# KiCad board 2000ATX.kicad_pcb (continued)
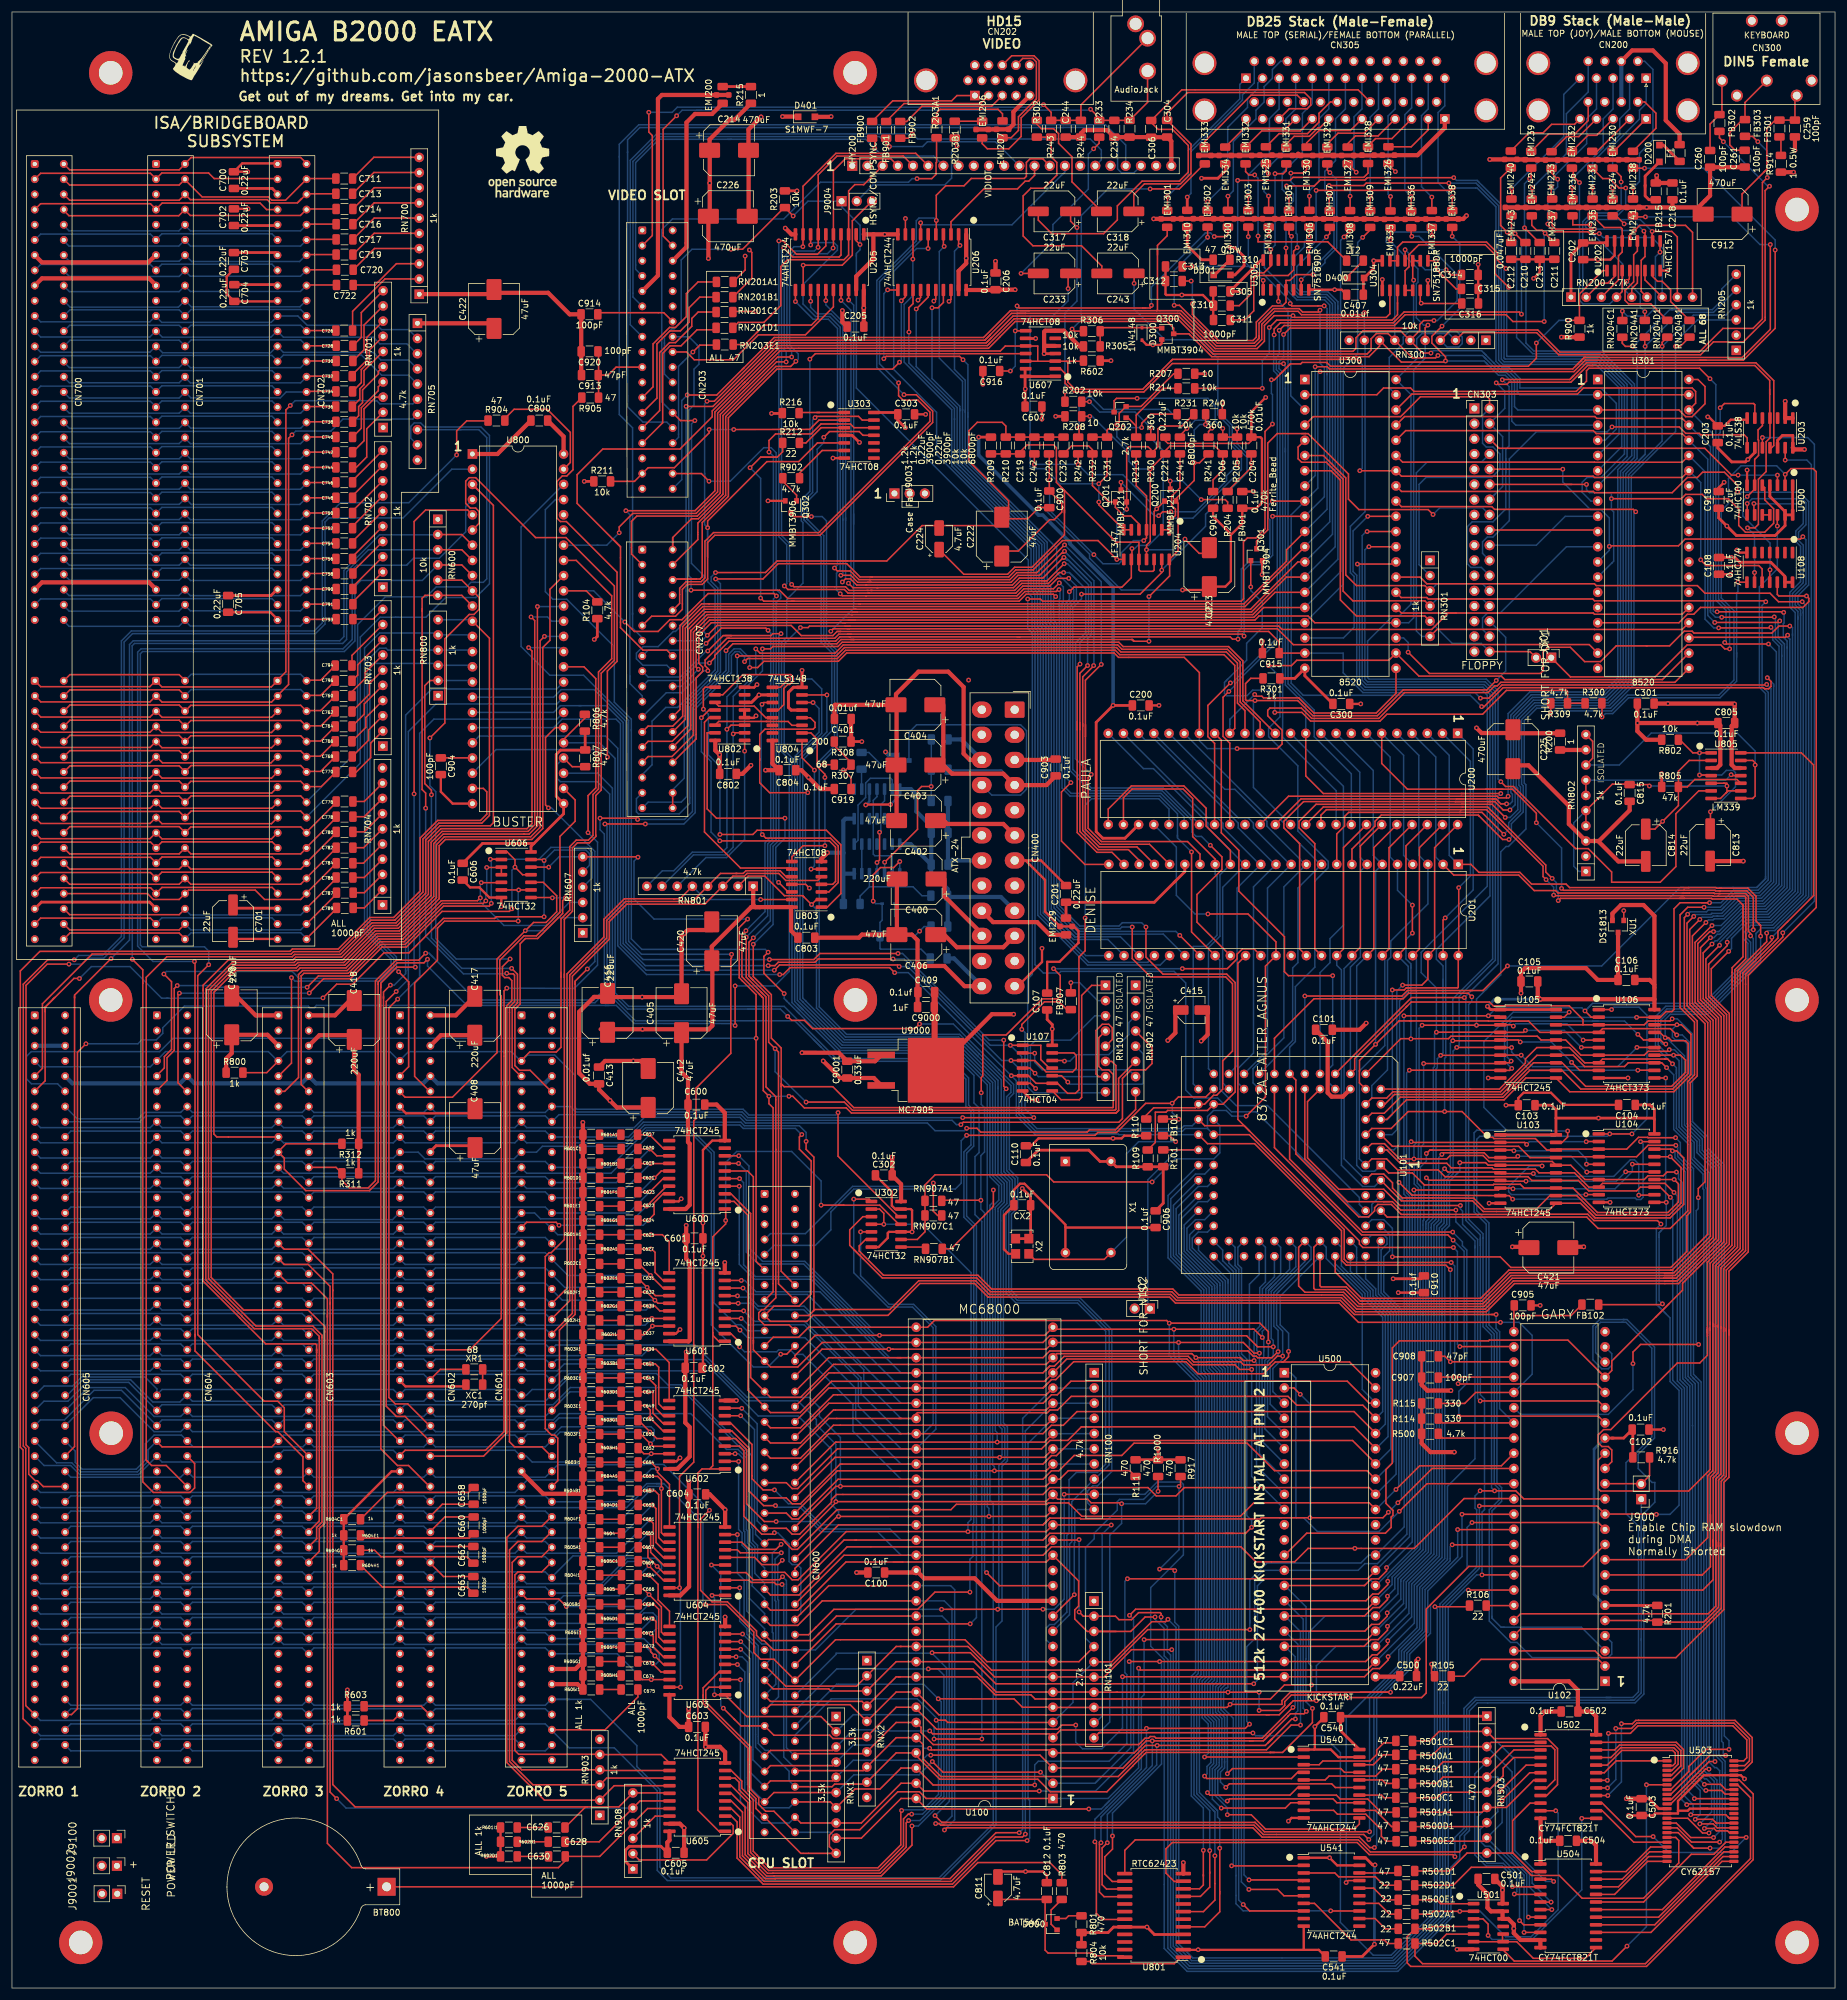
[diagram p0: board, top side]
## Routing (per net, layer and track width the routed paths; a pad name or vN(x,y) marks a point on that pad's centre or on a via; arc(x,y) is an arc through that point) (continued)
  Bottom w0.25: 219.87,269.6 219.87,247.1 U300.11 ; 219.87,269.6 219.87,280.61 v1(219.39,281.09) ; 219.87,269.6 219.87,280.21 ; v1(206.71,292.66) 206.71,288.91 213.72,281.9 v1(213.72,281.48)
PPD2: length 195.1
  Top w0.25: U300.12 206.15,230.84 115.49,230.84 112.13,227.48 112.13,212.52 110.48,210.87 106.36,210.87 CN207.25 ; EMI304.1 v1(210.11,292.86)
  Bottom w0.25: v1(210.11,292.86) 209.4,292.15 209.4,287.49 214.13,282.75 214.16,282.75 214.82,282.09 219.46,282.09 220.32,281.24 220.32,245.01 U300.12
PPD3: length 190.5
  Top w0.25: v1(213.92,292.71) 213.51,293.12 EMI305.1 ; CN207.26 112.58,212 112.58,227.26 115.71,230.39 141.09,230.39 ; U300.13 214.98,238.3 207.07,230.39 141.09,230.39 ; 141.09,230.39 140.96,230.39
  Bottom w0.25: 220.78,279.65 220.78,242.93 U300.13 ; 220.78,279.65 220.78,281.41 219.65,282.54 215,282.54 214.34,283.2 214.32,283.2 213.92,283.6 v1(213.92,292.71) ; 220.78,279.65 220.77,279.66 220.77,279.96
PPD4: length 200
  Top w0.25: 141.35,229.94 115.95,229.94 113.03,227.03 113.03,210.98 110.38,208.33 106.36,208.33 CN207.27 ; 141.35,229.94 207.26,229.94 213.08,235.76 U300.14 ; 141.35,229.94 140.56,229.94 ; v1(216.87,292.61) 216.92,292.66 EMI306.1
  Bottom w0.25: U300.14 221.23,240.84 221.23,279.45 221.23,281.6 219.84,282.99 215.19,282.99 214.51,283.67 214.49,283.67 214.37,283.79 214.37,289.24 216.09,290.96 216.09,291.83 v1(216.87,292.61)
PPD5: length 197.9
  Top w0.25: 140.48,229.49 207.44,229.49 211.17,233.22 U300.15 ; 140.48,229.49 140.31,229.49 ; 140.48,229.49 116.21,229.49 113.48,226.77 113.48,226.84 113.48,210.36 CN207.28 ; v1(219.76,292.6) 220.32,293.16 EMI307.1
  Bottom w0.25: 221.68,280.6 221.68,281.09 ; 221.68,280.6 221.68,238.75 U300.15 ; 221.68,280.6 221.68,281.79 220.02,283.44 215.37,283.44 214.82,284 214.82,287.66 v1(219.76,292.6)
PPD6: length 198.2
  Top w0.25: EMI308.1 223.72,293.62 v1(222.71,292.61) ; U300.16 209.27,230.68 207.63,229.04 116.39,229.04 113.93,226.58 113.93,209.36 110.36,205.79 106.36,205.79 CN207.29
  Bottom w0.25: v1(222.71,292.61) 222.13,292.03 222.13,236.66 U300.16
PPD7: length 198.2
  Top w0.25: v1(225.83,292.53) 227.08,293.78 EMI309.1 ; U300.17 139.29,228.14 ; 139.29,228.14 116.92,228.14 114.83,226.06 114.83,221.37 115.48,220.72 115.48,220.02 114.38,218.92 114.38,208.72 CN207.30 ; 139.29,228.14 138.84,228.14
  Bottom w0.25: 225.86,292.56 v1(225.83,292.53) 224.99,291.69 224.99,280.63 ; 224.99,280.63 224.99,273.04 222.58,270.63 222.58,234.57 U300.17 ; 224.99,280.63 224.99,281.93
PPOUT: length 289.4
  Top w0.25: 100.38,242.19 94.49,248.08 94.49,252.88 98.77,257.17 111.68,257.17 117.08,262.56 117.08,263.53 122.07,268.53 ; 100.38,242.19 101.74,240.83 ; 100.38,242.19 101.74,240.83 ; 101.74,240.83 101.74,227.32 105.49,223.57 109.48,223.57 CN207.16 ; 122.01,268.46 127.99,274.45 163.08,274.45 163.42,274.79 163.42,274.8 167.56,278.94 194.9,278.94 200.79,273.05 226.57,273.05 227.24,273.72 227.24,275.59 228.11,276.46 230.07,276.46 RN300.7 234.13,272.4 238,272.4 v1(238.4,272.8) ; U301.40 281.89,268.78 283.06,267.61 283.06,264.73 280.91,262.58 279.83,262.58 278.7,263.7 U301.3 ; EMI337.1 v1(237.39,292.86)
  Bottom w0.25: v1(237.39,292.86) 236.82,293.43 230.74,293.43 229.75,292.45 229.75,291.75 231.19,290.32 RN300.7 ; U301.3 251.76,263.7 251.21,264.26 251.21,268.59 249.84,269.95 248.71,269.95 246.4,272.26 ; v1(238.4,272.8) 245.87,272.8 246.4,272.26 ; 246.4,272.26 246.12,272.54
PSEL: length 258.6
  Top w0.25: v1(240.79,292.71) EMI338.1 ; v1(102.64,246.86) 114.2,246.86 117.53,250.19 117.53,263.35 122.51,268.33 122.52,268.33 ; 122.52,268.33 122.21,268.01 ; 122.52,268.33 128.19,274 131.54,274 163.27,274 165.23,275.96 165.23,275.97 167.74,278.49 192.68,278.49 ; 192.68,278.49 193.11,278.49 194.22,277.37 Q300.3 196.78,276.42 200.6,272.6 226.88,272.6 228.65,274.37 RN300.8 232.29,271.69 239.48,271.69 v1(239.67,271.88) 239.67,272.59 237.4,274.87 237.4,276 v1(239.09,277.7) ; 192.68,278.49 192.89,278.49
  Bottom w0.25: 246.64,271.38 248.53,269.49 249.66,269.49 250.76,268.4 250.76,261.82 251.42,261.16 U301.4 ; 246.64,271.38 246.35,271.68 ; 246.64,271.38 246.15,271.88 v1(239.67,271.88) ; v1(240.79,292.71) 242.06,291.44 242.06,280.67 v1(239.09,277.7) ; 103.31,218.31 103.31,219.25 ; 103.31,219.25 103.31,246.2 v1(102.64,246.86) ; 103.31,219.25 103.31,217.99 105.38,215.91 CN207.21
PSTROBE: length 223
  Top w0.25: 191.39,280.29 170.06,280.29 ; 191.39,280.29 195.46,280.29 201.35,274.4 207.88,274.4 208.95,275.47 208.95,278.01 211.11,280.18 215.02,280.18 215.59,279.61 225.76,279.61 v1(226.11,279.96) ; 191.39,280.29 191.52,280.41 191.52,290.32 ; 170.06,280.29 168.55,280.29 ; 170.06,280.29 166.92,280.29 162.44,275.8 127.44,275.8 122.41,270.78 ; 122.41,270.78 122.07,270.43 ; 122.41,270.78 117.83,266.19 v1(112.9,266.19) ; 191.52,290.32 191.52,291.19 193.14,292.81 EMI301.1 ; 191.52,290.32 191.52,289.61
  Bottom w0.25: 226.22,270.82 226.22,275.23 RN300.9 v1(226.11,279.96) ; 226.22,270.82 226.22,246.69 223.77,244.24 223.77,236.5 224.39,235.88 224.39,227.38 222.61,225.6 U300.18 ; 226.22,270.82 226.22,271.12 ; v1(112.9,266.19) 111.99,265.28 111.99,252.05 CN203.36
R0: length 98.1
  Top w0.25: v1(132.23,290.98) 132.26,291.01 U205.9 132.26,301.08 137.75,306.57 151.11,306.57 HY200.6 ; 110.46,240.87 110.46,242.37 ; 110.46,242.37 CN207.2 ; 110.46,242.37 113.61,245.51 114.76,245.51 118.88,249.63 118.88,262.78 127.83,271.73 v1(129.44,271.73)
  Bottom w0.25: v1(132.23,290.98) 130.76,290.98 129.11,289.33 129.11,273.81 129.44,273.49 v1(129.44,271.73)
R1: length 106.7
  Top w0.25: v1(134.77,290.88) 134.8,290.91 U205.7 134.8,302.98 137.94,306.12 149.02,306.12 HY200.5 ; CN207.3 103.58,239.63 103.58,245.08 104.46,245.96 114.57,245.96 118.43,249.82 118.43,262.96 128.01,272.54 v1(130.35,272.54)
  Bottom w0.25: v1(134.77,290.88) 134.15,290.26 130.67,290.26 129.56,289.15 129.56,274.32 130.35,273.53 v1(130.35,272.54)
R2: length 94.9
  Top w0.25: HY200.4 146.93,305.67 139.33,305.67 137.34,303.68 U205.5 137.34,290.8 v1(137.29,290.75) ; v1(131.06,271.83) 130.2,270.97 127.7,270.97 119.33,262.59 119.33,249.44 114.68,244.8 114.67,243.22 114.67,242.03 CN207.4
  Bottom w0.25: v1(131.06,271.83) 131.46,272.23 131.46,273.05 130.01,274.51 130.01,288.96 130.86,289.81 136.34,289.81 v1(137.29,290.75)
R3: length 46.5
  Top w0.25: 126.75,279.35 126.86,279.46 ; 126.86,279.46 125.72,278.33 121.43,278.33 RN201D1.1 ; 126.86,279.46 128.52,281.13 128.52,287.64 129.69,288.81 139.1,288.81 139.88,289.59 U205.3 139.88,293.04 139.88,300.31 140.93,301.36 142.43,301.36 HY200.3
R_W: length 638.3
  Top w0.25: 180.45,51.99 U100.9 164.27,51.99 160.23,56.03 v1(153.83,56.03) ; U101.22 214.65,151.72 214.65,139.39 225.18,128.86 226.81,128.86 227.82,129.87 227.82,130.39 228.36,130.93 230.62,130.93 232.28,129.27 255.48,129.27 255.51,129.3 263.45,129.3 264.51,128.24 275.11,128.24 v1(275.69,127.66) ; U605.6 120.25,32.54 122.58,30.21 122.58,22.28 126.14,18.72 127.4,18.72 127.42,18.74 145.33,18.74 150.47,23.88 v1(150.47,27.08) ; U301.22 275.95,218.64 274.52,218.64 274.52,218.64 249.59,218.64 249.01,219.22 235.24,219.22 U300.22 230.19,221.86 214.8,221.86 213.92,220.98 v1(210.11,220.98) ; v1(274.93,79.15) 274.88,79.2 U102.12 265,80.54 v1(245.34,80.54) ; RN101.6 182.6,51.97 187.17,56.54 v1(193.9,56.54)
  Bottom w0.25: v1(150.47,27.08) 151.53,27.08 156.26,31.81 156.26,53.49 153.72,56.03 ; 276.52,112.67 274.93,114.27 ; 274.93,114.27 277.22,111.98 277.22,101.37 278.72,99.87 278.72,80.67 277.19,79.15 v1(274.93,79.15) ; 274.93,114.27 274.93,126.9 v1(275.69,127.66) ; CN600.68 137.8,55.77 137.8,55.95 153.75,55.95 v1(153.83,56.03) ; 239.2,47.57 239.2,12.19 231.14,4.14 197.03,4.14 194.16,7.01 194.16,56.29 v1(193.9,56.54) ; 239.2,47.57 239.2,63.99 245.34,70.13 v1(245.34,80.54) ; 239.2,47.57 239.2,47.78 ; U101.22 213.61,157.2 214.57,158.16 214.57,167.33 217.82,170.58 217.82,184.97 220.07,187.22 220.07,188.26 214.99,193.34 214.99,204.23 210.1,209.11 210.1,210.52 212,212.42 212,219.09 v1(210.11,220.98)
RAWLEFT: length 160.3
  Top w0.25: 199.59,263.02 R240.1 199.56,261.24 ; 187.59,225.09 187.35,225.33 187.23,225.33 ; v1(190.09,225.04) 187.52,225.04 187.23,225.33 ; 140.75,225.33 140.21,225.33 ; 140.75,225.33 187.23,225.33 ; 140.75,225.33 138.62,225.33 137.9,224.62 120.53,224.62 v1(119.38,223.47) ; 190.4,232.82 v1(190.09,232.51) 193.55,235.97 193.55,238.67 U204.14 194.97,240.2 194.97,248.11 Q200.2 194.6,248.85 197.66,251.92 v1(197.66,254.86) 198.55,254.86 R241.2
  Bottom w0.25: v1(197.66,254.86) 197.66,260.35 198.58,261.26 v1(199.54,261.26) ; v1(119.38,223.47) 119.38,220.17 113.32,214.11 113.32,197.96 111.56,196.21 104.74,196.21 104.4,196.54 104.4,198.75 CN207.33 ; v1(190.09,232.51) v1(190.09,225.04)
RAWRIGHT: length 157.6
  Top w0.25: U204.8 v1(184.72,238.72) 181.57,241.87 175.63,241.87 170.72,236.96 167.82,236.96 166.65,235.79 143.84,235.79 ; v1(117.65,235.46) 125.55,235.46 128.11,238.01 139.57,238.01 141.79,235.79 143.84,235.79 ; 143.84,235.79 143.51,235.79 ; R231.2 195.61,261.01 192.07,261.01 191.6,260.53 191.6,257.56 R230.1 190.4,257.1 189.94,257.56 186.72,257.56 186.37,257.21 Q201.2 v1(186.37,247.11)
  Bottom w0.25: v1(186.37,247.11) 184.72,245.46 v1(184.72,238.72) ; CN207.35 106.36,198.17 111.88,198.17 112.85,199.13 112.85,214.27 118.45,219.88 118.45,234.66 v1(117.65,235.46)
READ: length 380.4
  Top w0.25: U605.14 100.69,33.81 RN903.2 89.02,31.39 82.73,37.68 82.73,75.29 84.59,77.15 88.58,77.15 90.14,78.71 ; C658.2 71.96,80.85 69.82,78.71 ; 49.5,78.71 50.93,80.14 50.93,106.16 ; 86.33,224.03 v1(86.39,223.98) 86.94,223.42 86.94,194.57 86.1,193.72 71.72,193.72 69.62,191.63 69.62,182.76 64.4,177.54 60.38,177.54 55.1,172.26 47.43,172.26 46.98,171.81 36.2,171.81 31.96,167.57 31.96,166.7 ; 50.93,106.53 50.93,107.46 50.76,107.63 42.43,107.63 38.04,112.03 38.04,112.05 31.96,118.13 31.96,166.7 ; 50.93,106.53 50.93,106.67 ; 50.93,106.53 50.93,106.16 ; 31.96,166.7 31.96,166.93 ; 50.93,106.16 50.93,106.8
  Bottom w0.25: 90.14,78.71 89.16,79.69 70.8,79.69 69.82,78.71 68.84,79.69 50.48,79.69 49.5,78.71 48.52,79.69 30.16,79.69 29.18,78.71 28.2,79.69 9.84,79.69 8.86,78.71 ; v1(86.39,223.98) 91.57,223.98 U800.35
RGA1: length 70.8
  Top w0.25: U200.26 185.83,198.91 187.28,200.36 195.81,200.36 197.4,198.76 197.4,192.4 201.17,188.64 U201.17
  Bottom w0.25: U101.33 197.5,151.09 197.5,174.05 199.61,174.05 201.47,175.91 201.47,185.82 201.17,186.13 U201.17
RGA2: length 70
  Top w0.25: U201.16 203.71,190.1 199.65,194.16 199.65,197.15 195.94,200.86 187.15,200.86 183.29,197 U200.25
  Bottom w0.25: U101.32 200.04,153.63 200.04,173.85 201.97,175.77 201.97,186.02 U201.16
RGA3: length 72.1
  Bottom w0.25: U200.24 189.18,203.76 190.84,203.76 199.94,194.66 199.94,193.87 206.06,187.76 U201.15 202.42,183.93 202.42,151.25 U101.31
RGA4: length 69.7
  Bottom w0.25: U200.23 199.94,195.54 201.57,195.54 202.48,194.62 202.48,193.87 208.6,187.76 U201.14 204.83,183.8 204.83,154.13 U101.30
RGA5: length 73.1
  Bottom w0.25: U101.29 204.96,151.25 204.96,153.62 207.57,156.23 207.57,184 U201.13 211.14,187.76 205.02,193.87 205.02,194.66 191.16,208.53 189.49,208.53 U200.22
RGA6: length 70.8
  Bottom w0.25: U101.28 209.91,156.67 209.91,183.8 U201.12 213.68,187.76 207.56,193.87 207.56,194.66 206.69,195.54 205.02,195.54 U200.21
RGA7: length 74.2
  Bottom w0.25: U101.27 207.5,151.25 207.5,153.62 212.65,158.77 212.65,184 U201.11 216.22,187.76 209.81,194.16 209.81,194.95 204.46,200.3 202.79,200.3 U200.20
RGA8: length 71.8
  Bottom w0.25: U101.26 214.12,158.34 214.12,170.47 214.99,171.34 214.99,183.8 U201.10 218.76,187.76 212.64,193.87 212.64,194.66 211.77,195.54 210.1,195.54 U200.19
VCDAC: length 229.3
  Top w0.25: 125.4,165.63 124.96,166.07 ; 125.4,165.63 125.4,165.64 122.04,169 122.04,176.01 v1(122.71,176.68) ; 125.4,165.63 125.61,165.42 125.61,149.96 v1(126.56,149.02) 126.56,147.77 127.25,147.08 127.25,116.34 CN600.15 ; 184.59,146.22 185.02,146.64 ; 184.59,146.22 185.02,146.64 ; 184.59,146.22 168.05,146.22 ; 184.59,146.22 140.35,146.22 139.49,147.08 132.48,147.08 130.54,149.02 v1(129.9,149.02) ; 185.02,146.64 185.02,152 RN902.6 ; 117.36,226 v1(116.05,224.69) 118.61,227.24 126.05,227.24 v1(126.42,226.87) ; 126.3,114.94 125.94,114.94
  Bottom w0.25: v1(129.9,149.02) v1(126.56,149.02) ; v1(126.42,226.87) 126.86,226.43 126.86,225.55 ; v1(116.05,224.69) 114.93,223.57 106.36,223.57 CN207.15 ; 122.85,176.82 v1(122.71,176.68) 125.9,179.87 125.9,191.35 126.86,192.31 126.86,225.54
Vref: length 81.4
  Top w0.25: U204.12 190.96,236.93 190.75,236.73 188.67,236.73 188.42,236.98 U204.10 188.42,241.6 184.61,241.6 183.9,242.32 ; 175.26,250.95 174.62,251.59 174.62,255.4 ; 175.26,250.95 183.9,242.32 ; 175.26,250.95 175.96,250.25 175.96,246.96 ; 175.96,246.96 175.96,242.84 170.53,237.41 167.63,237.41 166.46,236.24 159.14,236.24 C224.1 ; 175.96,246.96 175.96,246.45 ; 183.82,242.39 183.9,242.32 ; 174.62,255.4 174.62,257.38 174.14,257.86 169.72,257.86 168.55,256.69 C219.1 R210.1 R209.2 ; 174.62,255.4 174.62,253.22
XCLK: length 207.5
  Top w0.25: v1(125.17,232.26) 125.69,231.74 130.75,231.74 ; R110.2 189.64,145.84 190.89,147.09 197.84,147.09 198.37,147.62 U101.35 199.38,147.68 200.88,149.18 201.41,149.18 202.42,150.19 202.42,154.92 204.06,156.56 204.06,167.82 202.92,168.96 190.36,168.96 187.3,172.02 v1(187.3,177.29) ; v1(123.4,254.04) 125.17,255.8 127.67,255.8 ; 127.67,255.8 127.94,255.8 128.85,256.71 R212.1 ; 127.67,255.8 125.17,255.8 ; v1(174.5,232.51) 174.1,232.91 169.56,232.91 168.39,231.74 130.75,231.74 ; 130.75,231.74 130.26,231.74
  Bottom w0.25: 123.43,254.01 125.17,252.27 v1(125.17,232.26) ; v1(174.5,232.51) 174.15,232.16 174.15,228.58 174.67,228.06 174.67,227.67 174.67,180.68 178.34,177.01 185.27,177.01 185.55,177.29 v1(187.3,177.29)
XRDY: length 314.4
  Top w0.25: R114.1 239.19,94.44 U102.31 ; 133.89,113.04 133.23,112.38 CN600.18 ; 133.89,113.04 134.23,113.38 146.8,113.38 151.6,118.18 161.12,118.18 163.4,115.9 193.72,115.9 194.71,114.91 222.09,114.91 224.45,112.55 v1(248.13,112.55) 247.37,112.55 ; 133.89,113.04 134.07,113.22 134.07,138.84 132.77,140.14 v1(132.77,141.48)
  Bottom w0.25: v1(248.13,112.55) 248.13,110.25 248.72,109.66 248.72,96.82 U102.31 ; 8.86,142.21 9.84,143.19 28.2,143.19 29.18,142.21 30.16,143.19 48.52,143.19 49.5,142.21 50.48,143.19 68.84,143.19 69.82,142.21 70.8,143.19 89.16,143.19 90.14,142.21 103.09,142.21 105.56,144.68 121.87,144.68 122.46,144.09 131.65,144.09 132.78,142.96 132.78,141.47
Net-(BT800-Pad1): length 116.7
  Top w0.25: R803.1 175.51,18.97 173.52,20.97 161.48,20.97 157.43,16.92 BT800.1
Net-(C201-Pad1): length 26.1
  Top w0.457: EMI229.2 C201.1 190.98,181.43 194.51,184.96 ; 194.51,184.96 194.31,184.76 ; 194.51,184.96 196.09,186.54 U201.19
Net-(C204-Pad1): length 43.7
  Top w0.25: C204.1 v1(207.21,254.81) 207.21,254.1 203.25,250.14 R204.1 ; v1(204.83,260.55) R205.1 R206.1 v1(202.44,260.6) ; Q202.3 184.27,265.24 184.67,265.63 v1(188.11,265.63)
  Bottom w0.25: 188.11,265.65 199.94,265.65 201.16,264.43 201.16,261.88 v1(202.44,260.6) ; v1(204.83,260.55) 204.83,258.06 207.21,255.68 v1(207.21,254.81)
Net-(C210-Pad1): length 150.7
  Top w0.25: v1(203.71,218.08) 199.94,214.32 199.94,209.11 201.07,207.99 U200.32 ; EMI243.1 250.7,293.78 v1(251.31,293.17) 252.8,291.67 C210.1 ; v1(211.02,276.25) 211.02,277.22 212.06,278.26 230.94,278.26 232.74,280.06 252.02,280.06 v1(252.37,279.7)
  Bottom w0.25: v1(251.31,293.17) 252.37,292.1 v1(252.37,279.7) ; v1(203.71,218.08) 203.99,218.08 211.55,225.64 211.55,269.63 210.94,270.24 210.94,276.16 v1(211.02,276.25)
Net-(C211-Pad1): length 155.2
  Top w0.25: C211.1 v1(256.33,293.21) 255.81,293.73 254.91,293.73 254.1,294.54 EMI242.1 ; v1(256.17,278.47) 250.94,278.47 249.8,279.61 232.93,279.61 231.13,277.81 212.69,277.81 v1(211.87,277) ; v1(203.45,216.66) 202.48,215.69 202.48,209.15 203.61,208.03 U200.33
  Bottom w0.25: v1(203.45,216.66) 204.43,217.64 204.43,217.89 212,225.45 212,225.9 ; v1(211.87,277) 211.87,273.01 211.39,272.53 211.39,270.43 212,269.82 212,225.9 ; 212,225.9 212,225.31 ; v1(256.33,293.21) 256.17,293.05 v1(256.17,278.47)
Net-(C212-Pad1): length 183.5
  Top w0.25: v1(250.14,199.14) 249.88,198.88 248.56,198.88 248.29,199.15 242.32,199.15 213.43,199.15 U200.35 ; EMI240.2 248.89,302.45 248.89,294.52 v1(249.99,293.42) 250.65,292.76 C212.1
  Bottom w0.25: v1(249.99,293.42) 251.56,291.85 251.56,275.79 254.25,273.1 265.54,273.1 270.81,267.83 270.81,256.05 268.48,253.72 268.48,218.9 266.14,216.56 253.75,216.56 250.14,212.95 250.14,209.96 ; 250.14,209.96 250.14,210.57 ; 250.14,209.96 v1(250.14,199.14)
Net-(C213-Pad1): length 183.7
  Top w0.25: 241.48,198.7 242.62,198.7 ; 241.48,198.7 215.52,198.7 U200.36 ; 241.48,198.7 247.52,198.7 ; EMI239.2 254,302.62 v1(253.75,302.36) ; C213.1 255.34,291.67 v1(252.88,294.13) ; 247.52,198.7 248.1,198.7 248.94,197.87 v1(249.89,197.87) ; 247.52,198.7 247.83,198.7
  Bottom w0.25: v1(253.75,302.36) 252.88,301.5 v1(252.88,294.13) 253.13,293.89 253.13,286.11 ; 253.13,286.11 253.13,286.26 ; 253.13,286.11 253.13,274.86 254.44,273.55 265.72,273.55 271.26,268.02 271.26,255.76 268.93,253.43 268.93,218.71 266.33,216.11 254.01,216.11 250.59,212.69 250.59,200.55 ; 250.59,200.55 250.59,199.76 250.86,199.48 250.86,198.28 250.45,197.87 v1(249.89,197.87) ; 250.59,200.55 250.59,200.36
Net-(C231-Pad1): length 66.3
  Top w0.25: C231.1 183.08,252.73 v1(181.71,251.36) ; C233.1 176.58,286.1 v1(176.58,283.97) ; v1(181.71,248.31) 181.71,247.84 U204.7 U204.6
  Bottom w0.25: v1(181.71,248.31) v1(181.71,251.36) 175.22,251.36 172.69,253.88 170.59,253.88 170.22,254.26 170.22,279.41 174.05,279.41 176.58,281.94 v1(176.58,283.97)
Net-(C231-Pad2): length 16.8
  Top w0.25: v1(185.78,260.76) 185.54,260.52 183.31,260.52 183.08,260.3 C231.2 R232.2 ; R231.1 190.4,262.99 188.87,261.47 v1(188.87,260.76)
  Bottom w0.25: v1(185.78,260.76) v1(188.87,260.76)
Net-(C232-Pad1): length 23.6
  Top w0.25: C232.1 177.17,257.71 179.98,257.71 180.64,257.05 R232.1 180.64,251.05 183.37,248.33 Q201.1 184.47,247.43 185.93,245.97 187.09,245.97 188.42,244.65 U204.5
Net-(C233-Pad2): length 31.1
  Top w0.25: C233.2 v1(168.71,286.51) ; R233.2 181.77,308.26 v1(180.85,307.34)
  Bottom w0.25: v1(168.71,286.51) 174.03,291.84 174.03,294.68 179.95,300.6 179.95,306.45 v1(180.85,307.34)
Net-(C241-Pad1): length 75.1
  Top w0.25: v1(187.61,284.84) C243.1 ; U204.2 U204.1 v1(193.5,245.62) 194.06,245.62 194.52,246.08 194.52,247.12 193.87,247.77 193.87,249.27 195.28,250.67 C241.1
  Bottom w0.25: 187.61,282 187.61,280.56 192.74,275.44 198.53,275.44 201.61,272.35 201.61,262.88 203.56,260.93 203.56,258.05 205.55,256.07 205.55,253.73 197.44,245.62 v1(193.5,245.62) ; 187.61,282 v1(187.61,284.84) ; 187.61,282 187.61,281.48
Net-(C241-Pad2): length 35.4
  Top w0.25: v1(200.61,260.65) 200.05,260.1 R241.1 ; R242.2 178.41,259.31 v1(178.41,260.76) ; C241.2 195.28,259.44 v1(196.44,260.6)
  Bottom w0.25: v1(178.41,260.76) 178.41,264.42 179.79,265.8 180.48,265.8 182.49,263.8 193.25,263.8 v1(196.44,260.6) 197.83,261.99 199.89,261.99 200.61,261.27 v1(200.61,260.65)
Net-(C242-Pad1): length 32.7
  Top w0.25: 170.94,254.56 v1(170.94,254.61) C242.1 ; Q200.1 v1(191.39,247.17) 190.96,246.74 U204.3 ; R242.1 v1(178.26,254.56)
  Bottom w0.25: 191.41,247.19 185.72,252.88 179.93,252.88 v1(178.26,254.56) 178.21,254.61 v1(170.94,254.61)
Net-(C259-Pad1): length 27.2
  Top w0.25: 292.88,303.42 293.09,303.62 ; 292.88,303.42 289.25,299.78 C912.1 288.24,297.43 ; 292.88,303.42 293.39,303.93 293.39,310.72 294.8,312.13 FB301.1 C259.1 298.09,315.93 CN300.5
Net-(C260-Pad1): length 12.5
  Top w0.25: CN300.1 285.89,313.47 FB302.1 283.91,311.48 C260.1
Net-(C304-Pad1): length 58.7
  Top w0.25: CN305.36 213.56,314.04 216.55,314.04 217.13,314.62 217.13,315.7 216.1,316.74 196.57,316.74 193.13,313.3 C304.1 197.12,308.11 197.12,303.22 195.39,301.48 189.34,301.48 187.56,299.71 C318.1
Net-(C306-Pad1): length 85.3
  Top w0.25: CN305.43 225.06,317.19 195.58,317.19 C306.1 190.46,311.75 191.63,310.58 194.02,310.58 196,308.59 196,308.56 196.67,307.89 196.67,303.43 195.21,301.97 195.21,301.94 195.2,301.93 188.95,301.93 184.81,297.79 184.81,295.45 182.51,293.15 173.85,293.15 171.59,295.41 C317.2
Net-(C310-Pad1): length 30.3
  Top w0.25: v1(210.46,290.53) U305.13 210.46,287.76 209.32,286.61 207.62,286.61 207.16,286.16 207.16,283.11 205.18,281.13 C310.1 ; v1(211.18,303.17) 212.55,303.17 213.06,303.68 EMI331.1 ; 203.69,280.52 203.73,280.52
  Bottom w0.25: v1(211.18,303.17) 211.18,291.24 v1(210.46,290.53)
Net-(C311-Pad1): length 38
  Top w0.25: v1(214.88,290.83) 214.27,290.22 U305.10 214.27,287.07 213.37,286.16 208.08,286.16 207.61,285.69 207.61,280.26 206.1,278.74 C311.1 ; EMI330.1 216.46,303.89 215.85,303.28 v1(213.82,303.28)
  Bottom w0.25: v1(214.88,290.83) 214.88,293.03 214.69,293.22 214.69,300.98 213.82,301.85 v1(213.82,303.28)
Net-(C312-Pad1): length 58.2
  Top w0.25: C312.1 v1(197.15,285.24) ; EMI329.1 219.91,303.78 v1(220.34,303.35) ; v1(217.53,286.31) 214.63,286.31 213.66,285.34 213,285.34 U305.4 213,281.69 212.39,281.08 210.74,281.08 208.05,278.38 208.05,275.87 207.48,275.3 201.72,275.3 197.36,279.66 v1(197.36,281.43)
  Bottom w0.25: v1(197.15,285.24) 197.36,285.04 v1(197.36,281.43) ; v1(217.53,286.31) 219.52,288.3 219.52,288.78 221.48,290.75 221.48,302.22 v1(220.34,303.35) ; 197.15,281.48 197.1,281.43
Net-(C313-Pad1): length 55.4
  Top w0.25: U305.1 v1(209.19,285.34) ; EMI328.1 226.72,303.28 226.01,302.56 214.18,302.56 213.67,302.06 v1(204.93,302.06) ; C313.1 v1(197.31,287.68)
  Bottom w0.25: 207.06,287.48 206.86,287.68 v1(197.31,287.68) ; 207.06,287.48 v1(209.19,285.34) ; 207.06,287.48 204.93,289.61 v1(204.93,302.06)
Net-(C314-Pad2): length 48.9
  Top w0.25: C314.2 240.64,286.26 v1(239.78,287.12) ; U304.11 v1(232.92,290.47) ; EMI325.1 209.65,303.58 v1(210.06,303.17)
  In1.Cu w0.25: v1(210.06,303.17) 210.1,303.17 211.07,304.14 221.23,304.14 225,300.37 225,291.69 226.21,290.47 v1(232.92,290.47)
  Bottom w0.25: v1(239.78,287.12) 236.27,287.12 v1(232.92,290.47)
Net-(C315-Pad2): length 27.9
  Top w0.25: EMI326.1 230.12,304.7 v1(231.29,303.53) ; C315.2 241.44,283.92 238.11,287.25 v1(238.11,288.63) U304.8
  In1.Cu w0.25: v1(238.11,288.63) 236.06,290.68 236.06,292.39 231.29,297.16 v1(231.29,303.53)
Net-(C316-Pad2): length 40.9
  Top w0.25: EMI327.1 223.35,304.82 v1(224.74,303.43) ; C316.2 235.66,281.48 v1(235.61,281.53) 235.46,281.69 U304.6
  In1.Cu w0.25: v1(235.61,281.53) 235.61,292.21 234,293.82 227.99,293.82 226.35,295.46 226.35,301.82 v1(224.74,303.43)
Net-(C318-Pad2): length 20.9
  Top w0.25: C318.2 177.22,301.81 177.22,306 174.98,308.25 174.98,309.86 174.15,310.69 172.12,310.69 171.35,311.45 R302.2
Net-(C617-Pad1): length 3.6
  Top w0.25: R601A1.2 C617.1
Net-(C619-Pad1): length 3.6
  Top w0.25: R601B1.2 C619.1
Net-(C620-Pad1): length 3.6
  Top w0.25: C620.1 R601C1.2
Net-(C621-Pad1): length 3.6
  Top w0.25: C621.1 R601D1.2
Net-(C622-Pad1): length 3.6
  Top w0.25: R601E1.2 C622.1
Net-(C623-Pad1): length 3.6
  Top w0.25: R601F1.2 C623.1
Net-(C624-Pad1): length 3.6
  Top w0.25: C624.1 R601G1.2
Net-(C625-Pad1): length 3.6
  Top w0.25: C625.1 R601H1.2
Net-(C626-Pad1): length 5.2
  Top w0.25: R601I1.2 C626.1
Net-(C627-Pad1): length 3.6
  Top w0.25: R602A1.2 C627.1
Net-(C628-Pad1): length 5.2
  Top w0.25: C628.1 R602B1.2
Net-(C629-Pad1): length 3.6
  Top w0.25: R602C1.2 C629.1
Net-(C630-Pad1): length 5.2
  Top w0.25: R602D1.2 C630.1
Net-(C631-Pad1): length 3.6
  Top w0.25: R602E1.2 C631.1
Net-(C632-Pad1): length 3.6
  Top w0.25: R602F1.2 C632.1
Net-(C633-Pad1): length 3.6
  Top w0.25: C633.1 R602G1.2
Net-(C635-Pad1): length 3.6
  Top w0.25: R602H1.2 C635.1
Net-(C637-Pad1): length 3.6
  Top w0.25: C637.1 98.3,109.17 R602I1.2
Net-(C639-Pad1): length 3.6
  Top w0.25: R603A1.2 101.8,106.78 C639.1
Net-(C641-Pad1): length 3.6
  Top w0.25: C641.1 98.35,104.29 R603B1.2
Net-(C645-Pad1): length 3.6
  Top w0.25: R603C1.2 C645.1
Net-(C647-Pad1): length 3.6
  Top w0.25: R603D1.2 C647.1
Net-(C649-Pad1): length 3.6
  Top w0.25: C649.1 R603E1.2
Net-(C650-Pad1): length 3.6
  Top w0.25: C650.1 R603F1.2
Net-(C651-Pad1): length 3.6
  Top w0.25: R603G1.2 C651.1
Net-(C652-Pad1): length 3.7
  Top w0.25: R603H1.2 C652.1
Net-(C654-Pad1): length 3.7
  Top w0.25: C654.1 R603I1.2
Net-(C655-Pad1): length 3.7
  Top w0.25: R604A1.2 C655.1
Net-(C657-Pad1): length 3.7
  Top w0.25: C657.1 R604B1.2
Net-(C658-Pad1): length 21.1
  Top w0.25: C658.1 76.36,82.81 62.75,82.81 R604C1.2
Net-(C659-Pad1): length 3.7
  Top w0.25: R604D1.2 C659.1
Net-(C660-Pad1): length 19.4
  Top w0.25: C660.1 76.47,75.19 58.72,75.19 R604E1.2
Net-(C661-Pad1): length 3.7
  Top w0.25: C661.1 R604F1.2
Net-(C662-Pad1): length 19.8
  Top w0.25: R604G1.2 60.63,73.15 61.71,72.07 76.06,72.07 C662.1
Net-(C663-Pad1): length 20.8
  Top w0.25: C663.1 76.11,66.99 61.94,66.99 R604H1.2
Net-(C664-Pad1): length 3.7
  Top w0.25: R604I1.2 C664.1
Net-(C665-Pad1): length 3.7
  Top w0.25: R604.2 C665.1
Net-(C666-Pad1): length 3.7
  Top w0.25: C666.1 R605.2
Net-(C667-Pad1): length 3.7
  Top w0.25: R605A1.2 C667.1
Net-(C668-Pad1): length 3.7
  Top w0.25: C668.1 R605B1.2
